# Allegro board LAY-31407_C2.brd (continued)
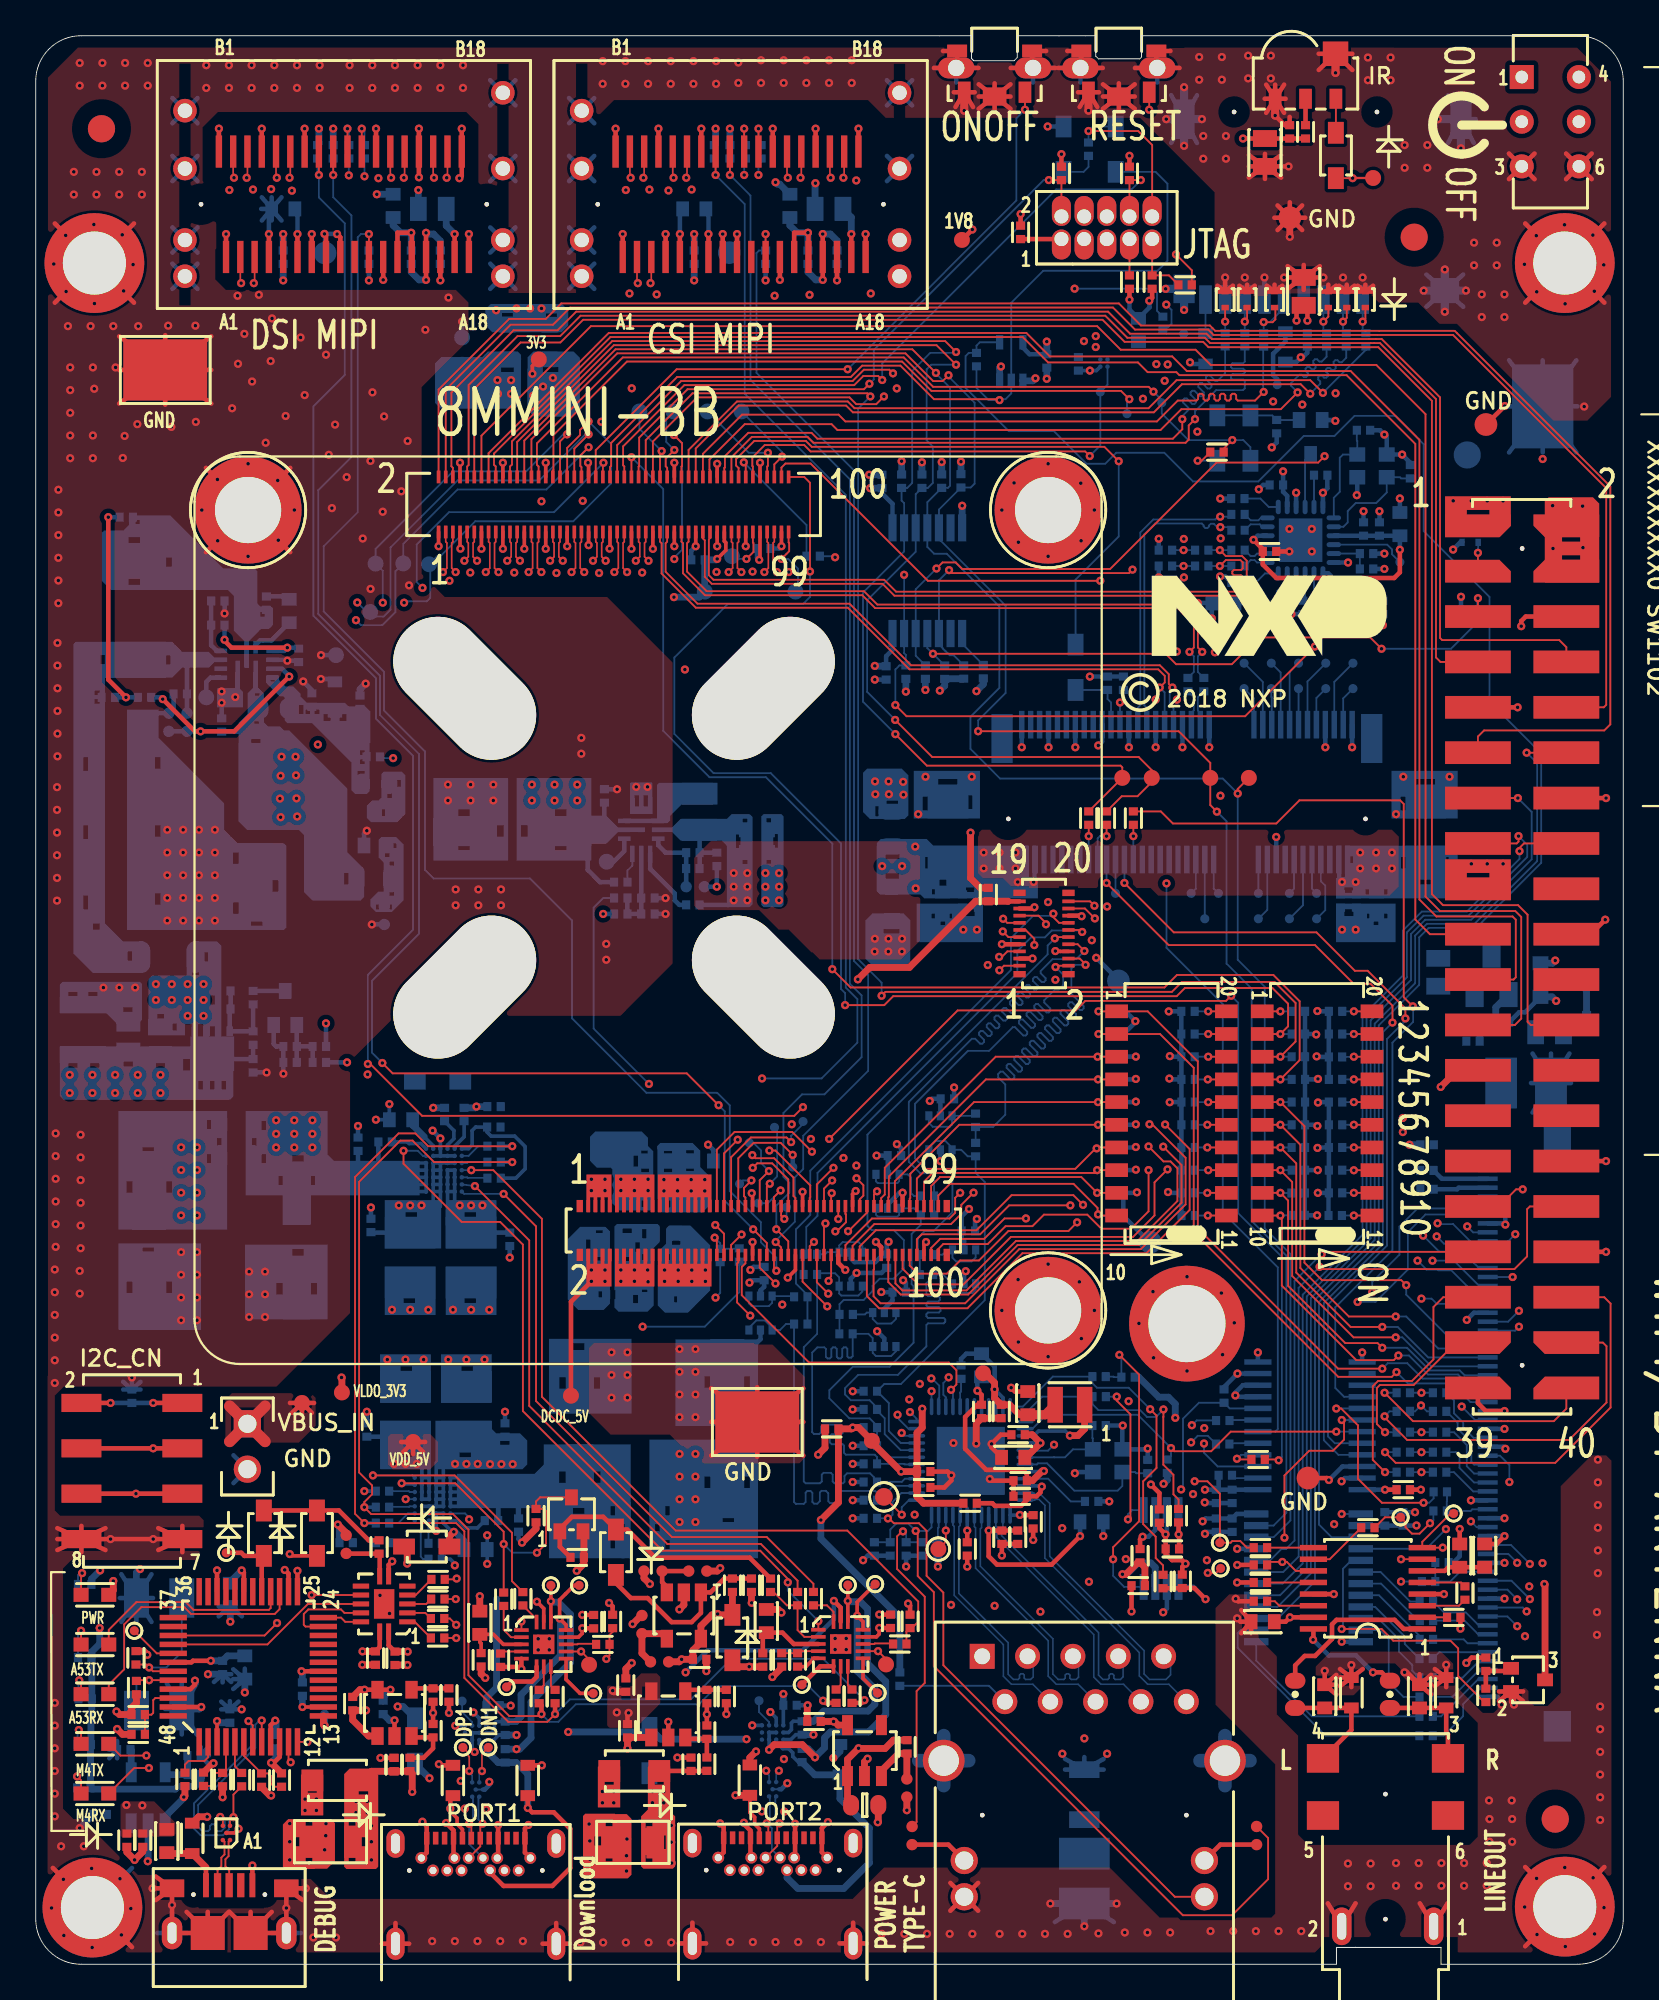
[diagram p0: board, top side]
## Library data of the parts (continued)
L101 = INDUCTOR: signal model: DEFAULT_INDUCTOR_1500nH_2_1
L102 = INDUCTOR: tolerance: 20%; signal model: DEFAULT_INDUCTOR_470.000000nH_2_1
L401 L501 L503 L601 L602 L901 = BEAD_0: signal model: DEFAULT_RESISTOR_120.000000OHM_2_1
L502 = INDUCTOR: signal model: DEFAULT_INDUCTOR_4700nH_2_1
Q101 = MOSFET_P_5P_SO8
Q102 Q301 Q604 Q903 Q1003 = NX3008NBKW_SOT323
Q1001 = MOSFET_P
Q1002 = MOSFET_N
R101 R137 R708 = RES: signal model: DEFAULT_RESISTOR_0.0015OHM_2_1
R102 R704 = RES: signal model: DEFAULT_RESISTOR_3.300000OHM_2_1
R103 R120 R140 R210-R213 R302-R305 R308-R312 R315 R316 R318 R323 R325 R332-R341 R401 R402 R501-R503 R511 R512 R514 R530-R544 R601-R604 R612 R613 R618-R620 R624 R625 R629-R631 R807-R812 R904 R908-R911 R1001 R1003-R1006 R1009-R1028 = RES: signal model: DEFAULT_RESISTOR_0.001OHM_2_1
R105 = RES: signal model: DEFAULT_RESISTOR_44200OHM_2_1
R107 R108 R112 R113 R115 R133 R215 R328-R331 R707 = RES: signal model: DEFAULT_RESISTOR_100000OHM_2_1
R109 R709 = RES: signal model: DEFAULT_RESISTOR_9530OHM_2_1
R110 = RES: signal model: DEFAULT_RESISTOR_187000OHM_2_1
R111 = RES: signal model: DEFAULT_RESISTOR_41200OHM_2_1
R114 R131 R134 R713 R902 R903 R915 R916 = RES: signal model: DEFAULT_RESISTOR_1000.000000OHM_2_1
R125 = RES: signal model: DEFAULT_RESISTOR_22000OHM_2_1
R129 = RES: signal model: DEFAULT_RESISTOR_4700OHM_2_1
R135 = RES: signal model: DEFAULT_RESISTOR_499000OHM_2_1
R136 R705 = RES: signal model: DEFAULT_RESISTOR_499.000000OHM_2_1
R138 R306 R319 = RES: signal model: DEFAULT_RESISTOR_0.0012OHM_2_1
R139 = RES: signal model: DEFAULT_RESISTOR_118000OHM_2_1
R201-R209 R214 R327 R342 R344 R345 R405 R406 R506 R509 R516-R526 R623 R626 R627 R801-R806 R917-R919 R1101 R1103 R1105 R1107 R1109 R1111 R1113 R1115 R1117 R1119 R1121 R1123 R1125 R1127 R1129 R1131 R1133 R1135 = RES: signal model: DEFAULT_RESISTOR_10000OHM_2_1
R216-R219 R301 R349 R350 R353-R359 R361 R610 R611 R614-R617 R621 R622 R632 R924-R928 R930 R1029-R1034 R1137 R1138 = RES
R307 R320 = RES: tolerance: 5%; signal model: DEFAULT_RESISTOR_1000.000000OHM_2_1
R313 R314 R321 R322 = RES: signal model: DEFAULT_RESISTOR_249000OHM_2_1
R343 R360 R929 R1139 R1140 = RES: tolerance: 5%
R346 = RES: tolerance: 5%; signal model: DEFAULT_RESISTOR_10000OHM_2_1
R403 R404 = RES: signal model: DEFAULT_RESISTOR_560.000000OHM_2_1
R508 R527 R528 = RES: signal model: DEFAULT_RESISTOR_1500OHM_2_1; room: RGMII_PHY
R510 R513 = RES: signal model: DEFAULT_RESISTOR_270.000000OHM_2_1
R515 = RES: signal model: DEFAULT_RESISTOR_2370OHM_2_1; room: RGMII_PHY
R702 = RES: signal model: DEFAULT_RESISTOR_43000OHM_2_1
R714 = RES: signal model: DEFAULT_RESISTOR_47.000000OHM_2_1
R920 = RES: signal model: DEFAULT_RESISTOR_100.000000OHM_2_1
R921-R923 = RES: tolerance: 1%; signal model: DEFAULT_RESISTOR_0.001OHM_2_1
R1102 R1104 R1106 R1108 R1110 R1112 R1114 R1116 R1118 R1120 R1122 R1124 R1126 R1128 R1130 R1132 R1134 R1136 = RES: tolerance: 5%; signal model: DEFAULT_RESISTOR_100000OHM_2_1
SW101 = SW_DPDT_3
SW901 SW902 = NTC501-BG1G-B160T
SW1101 SW1102 = SW_DIP-10
TP40-TP43 TP214-TP222 TP303 TP304 TP306 TP307 TP309-TP314 TP601-TP621 TP701 TP703 TP704 TP801 TP802 TP907 TP908 TP913-TP915 TP1201-TP1209 = TESTLOOP
TP101-TP105 TP205-TP208 TP210-TP213 TP301 TP302 TP305 TP308 TP315 TP503 TP504 TP702 TP901-TP906 TP909-TP912 = T POINT R: Tolerance: TOLERANCE; User Part Number: 510-75618
TP501 = Test pad: room: CODEC
TP502 = Test pad
TVS303 TVS304 TVS307 TVS308 TVS401 TVS402 TVS701 TVS702 TVS901 = DIODE_TVS_BIDIR
U101 = MP8759GD_QFN12P
U102 = MP2147GD_QFN_11P
U201 = PCA6416APW_TSSOP24
U202 = SN74AVC8T245
U203 = NTS0104PW_14P
U204 = 1G125
U301 U304 U311 = SGM8709YN5G
U302 U305 = NX20P3483UK_42P
U303 U306 = PTN5110_QFN16
U307 U309 U902 = PCMF1USB3S_WLCSP5
U308 U310 = NX20P0407_WLCSP12_A
U312 = TPS709_1
U401 = WM8524GEDT
U501 = AR8031_48P_EP
U502-U507 = NC7WV16_6P
U508 = NTB0102_8P
U601 = 9FGV0241AKLF_24P
U701 = IRM-V538
U702 = ADP199_4P
U901 = FT2232D
U903 = RT9193-33PB
U904 = NTB0104BQ
X901 = XTAL_13
Y501 Y601 = XTAL_13Y

## Footprints (pads in the part's own frame, mm; a bottom-side part is the same pattern mirrored in y, then rotated)
0402_CC
  rect 0.457x0.508 smd: 1(-0.375,0) 2(0.375,0)
0603_CC
  rect 0.711x0.838 smd: 1(-0.65,0) 2(0.65,0)
0805_CC
  rect 0.94x1.346 smd: 1(-0.78,0) 2(0.78,0)
1206_CC
  rect 0.94x1.702 smd: 1(-1.4,0) 2(1.4,0)
1210_CC
  rect 0.94x2.591 smd: 1(-1.4,0) 2(1.4,0)
C035S
  round 0.889 smd: 1(0,0)
CASE_D_AL
  rect 3.556x1.575 smd: 1(-2.642,0) 2(2.642,0)
CC0603_OV
  oval 0.889x1.143 smd: 1(-0.762,0) 2(0.762,0)
CC1210
  rect 1.778x2.845 smd: 1(-1.397,0) 2(1.397,0)
CC3528-21
  rect 1.905x2.286 smd: 1(-1.714,0) 2(1.714,0)
CCE8P3X8P3
  rect 4.394x1.905 smd: 1(-2.807,0) 2(2.807,0)
CON6_AUDIOJACK_RA_TH
  round 0.254 hole 1.499 unplated: (0.4,2.7) (7.4,2.7)
  oval 2.108x1.092 hole 1.499x0.508: 1(0,0) 2(0,5.15)
  rect 1.6x1.803 smd: 3(9.4,-0.8) 4(9.4,6.2) 5(6.2,6.2) 6(6.2,-0.8)
CON9_SDCARD_1P1MM
  round 0.254 hole 0.991 unplated: (-4.95,-3.25) (3.05,-3.25)
  rect 0.711x1.6 smd: 1(2.25,7.25) 2(1.15,7.25) 3(0.05,7.25) 4(-1.05,7.25) 5(-2.15,7.25) 6(-3.25,7.25) 7(-4.35,7.25) 8(-5.45,7.25) 9(-6.55,7.25)
  rect 1.194x1.6 smd: 10(-7.75,6.65)
  rect 1.194x2.21 smd: 11(-7.75,-2.85) 12(7.75,-2.85)
  rect 1.6x1.397 smd: 13(6.85,6.75)
CON20_0P4_5P7X2P05_SM
  rect 0.356x0.686 smd: (-2.275,1.368) (-2.275,-1.368) (2.275,1.368) (2.275,-1.368)
  rect 0.203x0.686 smd: 1(1.8,-1.368) 2(1.8,1.368) 3(1.4,-1.368) 4(1.4,1.368) 5(1,-1.368) 6(1,1.368) 7(0.6,-1.368) 8(0.6,1.368) 9(0.2,-1.368) 10(0.2,1.368) 11(-0.2,-1.368) 12(-0.2,1.368) 13(-0.6,-1.368) 14(-0.6,1.368) 15(-1,-1.368) 16(-1,1.368) 17(-1.4,-1.368) 18(-1.4,1.368) 19(-1.8,-1.368) 20(-1.8,1.368)
CON24_USB_TYPEC_RA_SMT_TH
  round 0.254 hole 0.66 unplated: (-6.775,-0.7) (0.675,-0.7)
  rect 0.305x0.711 smd: A1(-5.8,1.11) A2(-5.3,1.11) A3(-4.8,1.11) A4(-4.3,1.11) A5(-3.8,1.11) A6(-3.3,1.11) A7(-2.8,1.11) A8(-2.3,1.11) A9(-1.8,1.11) A10(-1.3,1.11) A11(-0.8,1.11) A12(-0.3,1.11)
  round 0.66 hole 0.406: B1(0,0) B2(-0.65,-0.7) B3(-1.45,-0.7) B4(-1.85,0) B5(-2.25,-0.7) B6(-2.65,0) B7(-3.45,0) B8(-3.85,-0.7) B9(-4.25,0) B10(-4.65,-0.7) B11(-5.45,-0.7) B12(-6.1,0)
  oval 1.016x1.6 hole 0.508x1.118: SH1(-7.55,0.81) SH2(1.45,0.81)
  oval 1.016x1.803 hole 0.508x1.295: SH3(-7.55,-4.8) SH4(1.45,-4.8)
CON100_0P4_21P7X2P05_SM
  rect 0.356x0.686 smd: (-10.275,1.368) (-10.275,-1.368) (10.275,1.368) (10.275,-1.368)
  rect 0.203x0.686 smd: 1(9.8,-1.368) 2(9.8,1.368) 3(9.4,-1.368) 4(9.4,1.368) 5(9,-1.368) 6(9,1.368) 7(8.6,-1.368) 8(8.6,1.368) 9(8.2,-1.368) 10(8.2,1.368) 11(7.8,-1.368) 12(7.8,1.368) 13(7.4,-1.368) 14(7.4,1.368) 15(7,-1.368) 16(7,1.368) 17(6.6,-1.368) 18(6.6,1.368) 19(6.2,-1.368) 20(6.2,1.368) 21(5.8,-1.368) 22(5.8,1.368) 23(5.4,-1.368) 24(5.4,1.368) 25(5,-1.368) 26(5,1.368) 27(4.6,-1.368) 28(4.6,1.368) 29(4.2,-1.368) 30(4.2,1.368) 31(3.8,-1.368) 32(3.8,1.368) 33(3.4,-1.368) 34(3.4,1.368) 35(3,-1.368) 36(3,1.368) 37(2.6,-1.368) 38(2.6,1.368) 39(2.2,-1.368) 40(2.2,1.368) 41(1.8,-1.368) 42(1.8,1.368) 43(1.4,-1.368) 44(1.4,1.368) 45(1,-1.368) 46(1,1.368) 47(0.6,-1.368) 48(0.6,1.368) 49(0.2,-1.368) 50(0.2,1.368) 51(-0.2,-1.368) 52(-0.2,1.368) 53(-0.6,-1.368) 54(-0.6,1.368) 55(-1,-1.368) 56(-1,1.368) 57(-1.4,-1.368) 58(-1.4,1.368) 59(-1.8,-1.368) 60(-1.8,1.368) 61(-2.2,-1.368) 62(-2.2,1.368) 63(-2.6,-1.368) 64(-2.6,1.368) 65(-3,-1.368) 66(-3,1.368) 67(-3.4,-1.368) 68(-3.4,1.368) 69(-3.8,-1.368) 70(-3.8,1.368) 71(-4.2,-1.368) 72(-4.2,1.368) 73(-4.6,-1.368) 74(-4.6,1.368) 75(-5,-1.368) 76(-5,1.368) 77(-5.4,-1.368) 78(-5.4,1.368) 79(-5.8,-1.368) 80(-5.8,1.368) 81(-6.2,-1.368) 82(-6.2,1.368) 83(-6.6,-1.368) 84(-6.6,1.368) 85(-7,-1.368) 86(-7,1.368) 87(-7.4,-1.368) 88(-7.4,1.368) 89(-7.8,-1.368) 90(-7.8,1.368) 91(-8.2,-1.368) 92(-8.2,1.368) 93(-8.6,-1.368) 94(-8.6,1.368) 95(-9,-1.368) 96(-9,1.368) 97(-9.4,-1.368) 98(-9.4,1.368) 99(-9.8,-1.368) 100(-9.8,1.368)
CON100_0P4_22P8X3P1_SM
  rect 0.203x0.711 smd: 1(-9.8,-1.54) 2(-9.8,1.54) 3(-9.4,-1.54) 4(-9.4,1.54) 5(-9,-1.54) 6(-9,1.54) 7(-8.6,-1.54) 8(-8.6,1.54) 9(-8.2,-1.54) 10(-8.2,1.54) 11(-7.8,-1.54) 12(-7.8,1.54) 13(-7.4,-1.54) 14(-7.4,1.54) 15(-7,-1.54) 16(-7,1.54) 17(-6.6,-1.54) 18(-6.6,1.54) 19(-6.2,-1.54) 20(-6.2,1.54) 21(-5.8,-1.54) 22(-5.8,1.54) 23(-5.4,-1.54) 24(-5.4,1.54) 25(-5,-1.54) 26(-5,1.54) 27(-4.6,-1.54) 28(-4.6,1.54) 29(-4.2,-1.54) 30(-4.2,1.54) 31(-3.8,-1.54) 32(-3.8,1.54) 33(-3.4,-1.54) 34(-3.4,1.54) 35(-3,-1.54) 36(-3,1.54) 37(-2.6,-1.54) 38(-2.6,1.54) 39(-2.2,-1.54) 40(-2.2,1.54) 41(-1.8,-1.54) 42(-1.8,1.54) 43(-1.4,-1.54) 44(-1.4,1.54) 45(-1,-1.54) 46(-1,1.54) 47(-0.6,-1.54) 48(-0.6,1.54) 49(-0.2,-1.54) 50(-0.2,1.54) 51(0.2,-1.54) 52(0.2,1.54) 53(0.6,-1.54) 54(0.6,1.54) 55(1,-1.54) 56(1,1.54) 57(1.4,-1.54) 58(1.4,1.54) 59(1.8,-1.54) 60(1.8,1.54) 61(2.2,-1.54) 62(2.2,1.54) 63(2.6,-1.54) 64(2.6,1.54) 65(3,-1.54) 66(3,1.54) 67(3.4,-1.54) 68(3.4,1.54) 69(3.8,-1.54) 70(3.8,1.54) 71(4.2,-1.54) 72(4.2,1.54) 73(4.6,-1.54) 74(4.6,1.54) 75(5,-1.54) 76(5,1.54) 77(5.4,-1.54) 78(5.4,1.54) 79(5.8,-1.54) 80(5.8,1.54) 81(6.2,-1.54) 82(6.2,1.54) 83(6.6,-1.54) 84(6.6,1.54) 85(7,-1.54) 86(7,1.54) 87(7.4,-1.54) 88(7.4,1.54) 89(7.8,-1.54) 90(7.8,1.54) 91(8.2,-1.54) 92(8.2,1.54) 93(8.6,-1.54) 94(8.6,1.54) 95(9,-1.54) 96(9,1.54) 97(9.4,-1.54) 98(9.4,1.54) 99(9.8,-1.54) 100(9.8,1.54)
CON_2RH_10_50
  oval 1.067x1.676 hole 0.787: 1(0,0) 2(0,1.27) 3(1.27,0) 4(1.27,1.27) 5(2.54,0) 6(2.54,1.27) 7(3.81,0) 8(3.81,1.27) 9(5.08,0) 10(5.08,1.27)
CON_2X4_SKT_100_SM
  rect 2.235x1.016 smd: 1(2.826,3.81) 2(-2.826,3.81) 3(2.826,1.27) 4(-2.826,1.27) 5(2.826,-1.27) 6(-2.826,-1.27) 7(2.826,-3.81) 8(-2.826,-3.81)
CON_36_0P8_TH
  round 0.254 hole 1.549 unplated: (-8,0) (8,0)
  rect 0.356x1.803 smd: A1(-6.6,-2.95) A2(-5.8,-2.95) A3(-5,-2.95) A4(-4.2,-2.95) A5(-3.4,-2.95) A6(-2.6,-2.95) A7(-1.8,-2.95) A8(-1,-2.95) A9(-0.2,-2.95) A10(0.6,-2.95) A11(1.4,-2.95) A12(2.2,-2.95) A13(3,-2.95) A14(3.8,-2.95) A15(4.6,-2.95) A16(5.4,-2.95) A17(6.2,-2.95) A18(7,-2.95) B1(-7,2.95) B2(-6.2,2.95) B3(-5.4,2.95) B4(-4.6,2.95) B5(-3.8,2.95) B6(-3,2.95) B7(-2.2,2.95) B8(-1.4,2.95) B9(-0.6,2.95) B10(0.2,2.95) B11(1,2.95) B12(1.8,2.95) B13(2.6,2.95) B14(3.4,2.95) B15(4.2,2.95) B16(5,2.95) B17(5.8,2.95) B18(6.6,2.95)
  round 1.321 hole 0.813: T1(-8.9,-4.03) T2(-8.9,-2) T3(-8.9,2) T4(-8.9,5.24) T5(8.9,-4.03) T6(8.9,-2) T7(8.9,2) T8(8.9,6.24)
CON_75_0P5_22X9_RA
  rect 1.194x2.743 smd: (-10.35,2.825) (10.35,2.825)
  round 0.254 hole 1.092 unplated: (-10,-1.675)
  round 0.254 hole 1.6 unplated: (10,-1.675)
  rect 0.305x1.549 smd: 1(-9.25,3.6) 2(-9,-3.95) 3(-8.75,3.6) 4(-8.5,-3.95) 5(-8.25,3.6) 6(-8,-3.95) 7(-7.75,3.6) 8(-7.5,-3.95) 9(-7.25,3.6) 10(-7,-3.95) 11(-6.75,3.6) 12(-6.5,-3.95) 13(-6.25,3.6) 14(-6,-3.95) 15(-5.75,3.6) 16(-5.5,-3.95) 17(-5.25,3.6) 18(-5,-3.95) 19(-4.75,3.6) 20(-4.5,-3.95) 21(-4.25,3.6) 22(-4,-3.95) 23(-3.75,3.6) 32(-1.5,-3.95) 33(-1.25,3.6) 34(-1,-3.95) 35(-0.75,3.6) 36(-0.5,-3.95) 37(-0.25,3.6) 38(0,-3.95) 39(0.25,3.6) 40(0.5,-3.95) 41(0.75,3.6) 42(1,-3.95) 43(1.25,3.6) 44(1.5,-3.95) 45(1.75,3.6) 46(2,-3.95) 47(2.25,3.6) 48(2.5,-3.95) 49(2.75,3.6) 50(3,-3.95) 51(3.25,3.6) 52(3.5,-3.95) 53(3.75,3.6) 54(4,-3.95) 55(4.25,3.6) 56(4.5,-3.95) 57(4.75,3.6) 58(5,-3.95) 59(5.25,3.6) 60(5.5,-3.95) 61(5.75,3.6) 62(6,-3.95) 63(6.25,3.6) 64(6.5,-3.95) 65(6.75,3.6) 66(7,-3.95) 67(7.25,3.6) 68(7.5,-3.95) 69(7.75,3.6) 70(8,-3.95) 71(8.25,3.6) 72(8.5,-3.95) 73(8.75,3.6) 74(9,-3.95) 75(9.25,3.6)
CON_FPC_60F_0P5_SM_RA
  rect 1.702x1.524 smd: (-16.4,-2.15) (16.4,-2.15)
  rect 0.254x1.118 smd: 1(-14.75,1.75) 2(-14.25,1.75) 3(-13.75,1.75) 4(-13.25,1.75) 5(-12.75,1.75) 6(-12.25,1.75) 7(-11.75,1.75) 8(-11.25,1.75) 9(-10.75,1.75) 10(-10.25,1.75) 11(-9.75,1.75) 12(-9.25,1.75) 13(-8.75,1.75) 14(-8.25,1.75) 15(-7.75,1.75) 16(-7.25,1.75) 17(-6.75,1.75) 18(-6.25,1.75) 19(-5.75,1.75) 20(-5.25,1.75) 21(-4.75,1.75) 22(-4.25,1.75) 23(-3.75,1.75) 24(-3.25,1.75) 25(-2.75,1.75) 26(-2.25,1.75) 27(-1.75,1.75) 28(-1.25,1.75) 29(-0.75,1.75) 30(-0.25,1.75) 31(0.25,1.75) 32(0.75,1.75) 33(1.25,1.75) 34(1.75,1.75) 35(2.25,1.75) 36(2.75,1.75) 37(3.25,1.75) 38(3.75,1.75) 39(4.25,1.75) 40(4.75,1.75) 41(5.25,1.75) 42(5.75,1.75) 43(6.25,1.75) 44(6.75,1.75) 45(7.25,1.75) 46(7.75,1.75) 47(8.25,1.75) 48(8.75,1.75) 49(9.25,1.75) 50(9.75,1.75) 51(10.25,1.75) 52(10.75,1.75) 53(11.25,1.75) 54(11.75,1.75) 55(12.25,1.75) 56(12.75,1.75) 57(13.25,1.75) 58(13.75,1.75) 59(14.25,1.75) 60(14.75,1.75)
CON_RJ45_10F_100_TH_RA
  round 0.254 hole 3.2 unplated: (-11.435,8.89) (-0.005,8.89)
  rect 1.397x1.397 hole 0.889: 1(0,0)
  round 1.397 hole 0.889: 2(-1.27,2.54) 3(-2.54,0) 4(-3.81,2.54) 5(-5.08,0) 6(-6.35,2.54) 7(-7.62,0) 8(-8.89,2.54) 9(-10.16,0) 10(-11.43,2.54)
  round 1.524 hole 1.016: 11(1.005,11.43) 12(1.005,13.46) 13(-12.445,11.43) 14(-12.445,13.46)
  round 2.337 hole 1.702: 15(-13.595,5.84) 16(2.155,5.84)
CON_USB_TYPE_B_SM
  round 0.254 hole 0.66 unplated: (-2,2.15) (2,2.15)
  rect 0.33x1.346 smd: 1(-1.3,2.675) 5(1.3,2.675)
  rect 0.406x1.346 smd: 2(-0.65,2.675) 3(0,2.675) 4(0.65,2.675)
  oval 1.143x1.829 hole 0.508x1.194: S1(-3.2,0) S2(3.2,0)
  rect 1.905x1.905 smd: S3(-1.2,0) S4(1.2,0)
  rect 1.372x0.991 smd: S5(-3.2,2.5) S6(3.2,2.5)
DFN3P3X3P3_8L_EX
  rect 0.559x0.356 smd: 1(-1.42,0.975) 2(-1.42,0.325) 3(-1.42,-0.325) 4(-1.42,-0.975)
  custom 2.28x2.45 smd: 5(0,0)
DHVQFN14_3X2P5MM
  rect 0.914x0.279 smd: 1(-1.55,-0.25) 7(1.55,-0.25) 8(1.55,0.25) 14(-1.55,0.25)
  rect 0.279x0.914 smd: 2(-1,-1.3) 3(-0.5,-1.3) 4(0,-1.3) 5(0.5,-1.3) 6(1,-1.3) 9(1,1.3) 10(0.5,1.3) 11(0,1.3) 12(-0.5,1.3) 13(-1,1.3)
  rect 1.651x1.143 smd: 15(0,0)
DIODE2_SOD523
  rect 0.61x0.813 smd: 1(-0.85,0) 2(0.85,0)
FUSE_3P4X1P8
  rect 0.991x1.803 smd: 1(-1.25,0) 2(1.25,0)
HDR102
  rect 1.524x1.524 hole 1.016: 1(0,0)
  round 1.524 hole 1.016: 2(0,-2.54)
HDR220_TSM_A_SM
  round 0.254 hole 1.727 unplated: (0,22.86) (0,-22.86)
  custom 3.68x1.27 smd: 1(-2.475,24.13) 2(2.475,24.13) 3(-2.475,21.59) 4(2.475,21.59) 37(-2.475,-21.59) 38(2.475,-21.59) 39(-2.475,-24.13) 40(2.475,-24.13)
  rect 3.683x1.27 smd: 5(-2.475,19.05) 6(2.475,19.05) 7(-2.475,16.51) 8(2.475,16.51) 9(-2.475,13.97) 10(2.475,13.97) 11(-2.475,11.43) 12(2.475,11.43) 13(-2.475,8.89) 14(2.475,8.89) 15(-2.475,6.35) 16(2.475,6.35) 17(-2.475,3.81) 18(2.475,3.81) 19(-2.475,1.27) 20(2.475,1.27) 21(-2.475,-1.27) 22(2.475,-1.27) 23(-2.475,-3.81) 24(2.475,-3.81) 25(-2.475,-6.35) 26(2.475,-6.35) 27(-2.475,-8.89) 28(2.475,-8.89) 29(-2.475,-11.43) 30(2.475,-11.43) 31(-2.475,-13.97) 32(2.475,-13.97) 33(-2.475,-16.51) 34(2.475,-16.51) 35(-2.475,-19.05) 36(2.475,-19.05)
HX2QFN16_0P4_2P7X2P7
  rect 0.813x0.203 smd: 1(-1.25,0.8) 2(-1.25,0.4) 3(-1.25,0) 4(-1.25,-0.4) 5(-1.25,-0.8) 9(1.25,-0.8) 10(1.25,-0.4) 11(1.25,0) 12(1.25,0.4) 13(1.25,0.8)
  rect 0.203x0.813 smd: 6(-0.4,-1.25) 7(0,-1.25) 8(0.4,-1.25) 14(0.4,1.25) 15(0,1.25) 16(-0.4,1.25)
  rect 1.194x1.092 smd: 17(0,0)
IND_IHLP
  rect 2.007x3.429 smd: 1(-2.794,0) 2(2.743,0)
IND_SPH2520
  rect 1.219x2.007 smd: 1(-1.01,0) 2(1.01,0)
IND_VLS252010
  rect 0.864x2.007 smd: 1(-0.825,0) 2(0.825,0)
LED_0603
  rect 0.838x0.787 smd: A(-0.775,0) C(0.775,0)
LED_0603_11MIL
  rect 0.838x0.787 smd: A(-0.775,0) C(0.775,0)
LQFP48
  rect 1.524x0.305 smd: 1(-4.204,2.752) 2(-4.204,2.252) 3(-4.204,1.751) 4(-4.204,1.251) 5(-4.204,0.751) 6(-4.204,0.25) 7(-4.204,-0.25) 8(-4.204,-0.751) 9(-4.204,-1.251) 10(-4.204,-1.751) 11(-4.204,-2.252) 12(-4.204,-2.752) 25(4.204,-2.752) 26(4.204,-2.252) 27(4.204,-1.751) 28(4.204,-1.251) 29(4.204,-0.751) 30(4.204,-0.25) 31(4.204,0.25) 32(4.204,0.751) 33(4.204,1.251) 34(4.204,1.751) 35(4.204,2.252) 36(4.204,2.752)
  rect 0.305x1.524 smd: 13(-2.752,-4.204) 14(-2.252,-4.204) 15(-1.751,-4.204) 16(-1.251,-4.204) 17(-0.751,-4.204) 18(-0.25,-4.204) 19(0.25,-4.204) 20(0.751,-4.204) 21(1.251,-4.204) 22(1.751,-4.204) 23(2.252,-4.204) 24(2.752,-4.204) 37(2.752,4.204) 38(2.252,4.204) 39(1.751,4.204) 40(1.251,4.204) 41(0.751,4.204) 42(0.25,4.204) 43(-0.25,4.204) 44(-0.751,4.204) 45(-1.251,4.204) 46(-1.751,4.204) 47(-2.252,4.204) 48(-2.752,4.204)
MH244-166T
  round 6.477 hole 4.318: 1(0,0)
QFN12_0P5_2X3MM_EP
  rect 0.711x0.254 smd: 1(-0.95,0.5) 2(-0.95,0) 3(-0.95,-0.5) 7(0.95,-0.5) 8(0.95,0) 9(0.95,0.5)
  rect 0.254x0.914 smd: 4(-0.5,-1.35) 5(0,-1.35) 6(0.5,-1.35)
  custom 1.25x0.9 smd: 10(0,1.35)
  rect 0.406x0.254 smd: 11(0,0)
QFN12_0P5_3P1X2P1
  rect 0.254x1.499 smd: 1(0.5,0.55) 2(-0.5,0.55) 7(0,-0.55)
  rect 0.711x0.254 smd: 3(-1.45,0.75) 4(-1.45,0.25) 5(-1.45,-0.25) 6(-1.45,-0.75) 9(1.45,-0.75) 10(1.45,-0.25) 11(1.45,0.25) 12(1.45,0.75)
  rect 0.254x0.711 smd: 8(0.5,-0.95)
QFN24_0P5_4X4_EP2P2
  oval 0.813x0.279 smd: 1(-1.86,1.25) 2(-1.86,0.75) 3(-1.86,0.25) 4(-1.86,-0.25) 5(-1.86,-0.75) 6(-1.86,-1.25) 13(1.86,-1.25) 14(1.86,-0.75) 15(1.86,-0.25) 16(1.86,0.25) 17(1.86,0.75) 18(1.86,1.25)
  oval 0.279x0.813 smd: 7(-1.25,-1.86) 8(-0.75,-1.86) 9(-0.25,-1.86) 10(0.25,-1.86) 11(0.75,-1.86) 12(1.25,-1.86) 19(1.25,1.86) 20(0.75,1.86) 21(0.25,1.86) 22(-0.25,1.86) 23(-0.75,1.86) 24(-1.25,1.86)
  rect 2.438x2.438 smd: 25(0,0)
QFN48_0P4_6X6MM_EPAD
  oval 0.965x0.203 smd: 1(-3.038,2.2) 2(-3.038,1.8) 3(-3.038,1.4) 4(-3.038,1) 5(-3.038,0.6) 6(-3.038,0.2) 7(-3.038,-0.2) 8(-3.038,-0.6) 9(-3.038,-1) 10(-3.038,-1.4) 11(-3.038,-1.8) 12(-3.038,-2.2) 25(3.038,-2.2) 26(3.038,-1.8) 27(3.038,-1.4) 28(3.038,-1) 29(3.038,-0.6) 30(3.038,-0.2) 31(3.038,0.2) 32(3.038,0.6) 33(3.038,1) 34(3.038,1.4) 35(3.038,1.8) 36(3.038,2.2)
  oval 0.203x0.965 smd: 13(-2.2,-3.038) 14(-1.8,-3.038) 15(-1.4,-3.038) 16(-1,-3.038) 17(-0.6,-3.038) 18(-0.2,-3.038) 19(0.2,-3.038) 20(0.6,-3.038) 21(1,-3.038) 22(1.4,-3.038) 23(1.8,-3.038) 24(2.2,-3.038) 37(2.2,3.038) 38(1.8,3.038) 39(1.4,3.038) 40(1,3.038) 41(0.6,3.038) 42(0.2,3.038) 43(-0.2,3.038) 44(-0.6,3.038) 45(-1,3.038) 46(-1.4,3.038) 47(-1.8,3.038) 48(-2.2,3.038)
  rect 3.81x3.81 smd: 49(0,0)
RC0402_25
  round 0.635 smd: 1(-0.508,0) 2(0.508,0)
RC0603_OV
  oval 0.889x1.143 smd: 1(-0.762,0) 2(0.762,0)
RC0805_OV
  oval 0.889x1.524 smd: 1(-0.965,0) 2(0.965,0)
RC1206_OV
  oval 1.016x1.778 smd: 1(-1.524,0) 2(1.524,0)
RCVR_SM_IRM_V5
  rect 0.711x1.118 smd: 1(1.7,-1.6) 2(0,-1.6) 3(-1.7,-1.6)
  rect 1.422x1.372 smd: 4(1.68,0.916)
SC70-5
  rect 0.406x0.813 smd: 1(-0.65,-1.079) 2(0,-1.079) 3(0.65,-1.079) 4(0.65,1.079) 5(-0.65,1.079)
SC70_3
  rect 0.711x0.889 smd: 1(-0.648,-0.952) 2(0.648,-0.952) 3(0,0.952)
SC70_6LEAD
  rect 0.508x0.406 smd: 1(-0.95,0.65) 2(-0.95,0) 3(-0.95,-0.65) 4(0.95,-0.65) 5(0.95,0) 6(0.95,0.65)
SOD123W
  rect 1.219x1.219 smd: A(1.4,0) C(-1.4,0)
SOD323
  rect 0.889x1.219 smd: A(0,1.27) C(0,-1.27)
SOD523
  rect 0.61x0.813 smd: A(0.85,0) C(-0.85,0)
SOD-923
  rect 0.305x0.406 smd: A(-0.45,0) C(0.45,0)
SOT23-5
  rect 0.61x1.118 smd: 1(-1,-1.4) 2(-0.05,-1.4) 3(0.9,-1.4) 4(0.9,1.45) 5(-1,1.45)
SOT23_A
  rect 0.787x0.889 smd: 1(-0.94,-1.003) 2(0.94,-1.003) 3(0,1.003)
SOT-23
  rect 1.016x1.397 smd: 1(-0.95,-1.1) 2(0.95,-1.1) 3(0,1.1)
SOT-23-5
  rect 0.686x0.991 smd: 1(-0.953,-1.295) 2(0,-1.295) 3(0.953,-1.295) 4(0.953,1.295) 5(-0.953,1.295)
SPACER_139T
  round 5.588 hole 3.531: 1(0,0)
STANDOFF_CIRCLE_5P1-2P5MM_NSP
  round 5.994 hole 3.708: 1(0,0)
SW2_3P4_TACT_SM_NSP
  rect 0.711x1.194 smd: 1(1.7,1.36) 2(-1.7,1.36)
  rect 1.321x1.016 smd: 3(0,1.6)
  rect 1.118x0.711 smd: 4(-2.1,-0.95) 5(2.1,-0.95)
  oval 2.032x1.168 hole 0.914: 6(-2.15,0) 7(2.15,0)
SW6_DPDT_M096H_TH
  rect 1.346x1.346 hole 0.711: 1(0,0)
  round 1.346 hole 0.711: 2(0,-2.5) 3(0,-5) 4(3.2,0) 5(3.2,-2.5) 6(3.2,-5)
SW_DIP10_SM
  rect 0.762x1.27 smd: 1(-5.715,-3.073) 2(-4.445,-3.073) 3(-3.175,-3.073) 4(-1.905,-3.073) 5(-0.635,-3.073) 6(0.635,-3.073) 7(1.905,-3.073) 8(3.175,-3.073) 9(4.445,-3.073) 10(5.715,-3.073) 11(5.715,3.073) 12(4.445,3.073) 13(3.175,3.073) 14(1.905,3.073) 15(0.635,3.073) 16(-0.635,3.073) 17(-1.905,3.073) 18(-3.175,3.073) 19(-4.445,3.073) 20(-5.715,3.073)
TEST_PIN_TP107
  rect 4.699x3.429 smd: 1(0,0)
TESTPOINT_35MIL
  round 0.889 smd: 1(0,0)
TESTPOINT_39MIL
  round 0.991 smd: 1(0,0)
TPAD_020
  round 0.508 smd: 1(0,0)
TPAD_050
  round 1.27 smd: 1(0,0)
TSSOP8_A
  rect 1.448x0.457 smd: 1(-2.15,0.975) 2(-2.15,0.325) 3(-2.15,-0.325) 4(-2.15,-0.975) 5(2.15,-0.975) 6(2.15,-0.325) 7(2.15,0.325) 8(2.15,0.975)
TSSOP14
  rect 1.524x0.457 smd: 1(-2.959,1.951) 2(-2.959,1.3) 3(-2.959,0.65) 4(-2.959,0) 5(-2.959,-0.65) 6(-2.959,-1.3) 7(-2.959,-1.951) 8(2.959,-1.951) 9(2.959,-1.3) 10(2.959,-0.65) 11(2.959,0) 12(2.959,0.65) 13(2.959,1.3) 14(2.959,1.951)
TSSOP16
  rect 1.524x0.305 smd: 1(-3.048,2.276) 2(-3.048,1.626) 3(-3.048,0.975) 4(-3.048,0.325) 5(-3.048,-0.325) 6(-3.048,-0.975) 7(-3.048,-1.626) 8(-3.048,-2.276) 9(3.048,-2.276) 10(3.048,-1.626) 11(3.048,-0.975) 12(3.048,-0.325) 13(3.048,0.325) 14(3.048,0.975) 15(3.048,1.626) 16(3.048,2.276)
TSSOP24_0P65_7P9X4P5
  rect 1.372x0.406 smd: 1(-2.927,3.575) 2(-2.927,2.925) 3(-2.927,2.275) 4(-2.927,1.625) 5(-2.927,0.975) 6(-2.927,0.325) 7(-2.927,-0.325) 8(-2.927,-0.975) 9(-2.927,-1.625) 10(-2.927,-2.275) 11(-2.927,-2.925) 12(-2.927,-3.575) 13(2.927,-3.575) 14(2.927,-2.925) 15(2.927,-2.275) 16(2.927,-1.625) 17(2.927,-0.975) 18(2.927,-0.325) 19(2.927,0.325) 20(2.927,0.975) 21(2.927,1.625) 22(2.927,2.275) 23(2.927,2.925) 24(2.927,3.575)
TSSOP24_65MM
  rect 1.524x0.305 smd: 1(-2.92,3.58) 2(-2.92,2.93) 3(-2.92,2.28) 4(-2.92,1.63) 5(-2.92,0.98) 6(-2.92,0.33) 7(-2.92,-0.32) 8(-2.92,-0.97) 9(-2.92,-1.62) 10(-2.92,-2.27) 11(-2.92,-2.92) 12(-2.92,-3.57) 13(2.92,-3.57) 14(2.92,-2.92) 15(2.92,-2.27) 16(2.92,-1.62) 17(2.92,-0.97) 18(2.92,-0.32) 19(2.92,0.33) 20(2.92,0.98) 21(2.92,1.63) 22(2.92,2.28) 23(2.92,2.93) 24(2.92,3.58)
unnamed#2
  oval 5.004x9.246 hole 5.004x9.246 unplated: (0,0)
unnamed#3
  round 1.524 smd: (0,0)
WLCSP4_0P4_0P8X0P8_SMDP
  round 0.254 smd: A1(-0.2,0.2) A2(0.2,0.2) B1(-0.2,-0.2) B2(0.2,-0.2)
WLCSP5_0P4_0P82X1P22
  round 0.254 smd: A1(-0.2,0.4) A2(0.2,0.4) B1(0,0) C1(-0.2,-0.4) C2(0.2,-0.4)
WLCSP12_0P4_1P3X1P7MM_SMDP
  round 0.254 smd: A1(-0.4,0.6) A2(0,0.6) A3(0.4,0.6) B1(-0.4,0.2) B2(0,0.2) B3(0.4,0.2) C1(-0.4,-0.2) C2(0,-0.2) C3(0.4,-0.2) D1(-0.4,-0.6) D2(0,-0.6) D3(0.4,-0.6)
WLCSP42_0P4_2P94X2P54_SMDP
  round 0.254 smd: A1(-1,1.2) A2(-0.6,1.2) A3(-0.2,1.2) A4(0.2,1.2) A5(0.6,1.2) A6(1,1.2) B1(-1,0.8) B2(-0.6,0.8) B3(-0.2,0.8) B4(0.2,0.8) B5(0.6,0.8) B6(1,0.8) C1(-1,0.4) C2(-0.6,0.4) C3(-0.2,0.4) C4(0.2,0.4) C5(0.6,0.4) C6(1,0.4) D1(-1,0) D2(-0.6,0) D3(-0.2,0) D4(0.2,0) D5(0.6,0) D6(1,0) E1(-1,-0.4) E2(-0.6,-0.4) E3(-0.2,-0.4) E4(0.2,-0.4) E5(0.6,-0.4) E6(1,-0.4) F1(-1,-0.8) F2(-0.6,-0.8) F3(-0.2,-0.8) F4(0.2,-0.8) F5(0.6,-0.8) F6(1,-0.8) G1(-1,-1.2) G2(-0.6,-1.2) G3(-0.2,-1.2) G4(0.2,-1.2) G5(0.6,-1.2) G6(1,-1.2)
XTAL_4_7P2X5P2
  rect 2.21x1.397 smd: 1(-3.15,-1.27) 2(-3.15,1.27) 3(3.15,1.27)
  rect 2.388x1.397 smd: 4(3.061,-1.27)
XTLOSC4_2P5X2MM_SM
  rect 0.889x0.813 smd: 1(-0.826,-0.635) 2(0.826,-0.635) 3(0.826,0.635) 4(-0.826,0.635)

## Nets
GND: BH1201.1(NC_1) BH1202.1(NC_1) BH1203.1(NC_1) BH1204.1(NC_1) BH1206.1 BH1207.1 BH1208.1 BH1209.1 C101.2 C103.2 C105.2 C106.2 C107.2 C108.2 C109.2 C113.2 C114.2 C116.2 C117.2 C119.2 C120.2 C121.2 C141.2 C142.2 C145.2 C157.2 C161.2 C201.2 C202.2 C203.2 C204.2 C205.2 C206.2 C207.2 C208.2 C209.2 C210.2 C211.2 C212.2 C213.2 C214.2 C215.2 C216.2 C217.2 C218.2 C219.2 C220.2 C221.2 C301.2 C302.2 C303.2 C304.2 C305.2 C308.2 C309.2 C311.2 C313.2 C314.2 C316.2 C317.2 C318.1 C319.2 C320.1 C321.2 C322.2 C323.2 C325.2 C326.2 C327.2 C329.2 C331.2 C332.1 C333.2 C334.2 C335.2 C336.1 C337.2 C338.2 C339.2 C340.2 C341.2 C342.2 C343.2 C344.2 C401.2 C402.2 C403.2 C404.1 C406.1 C407.2 C501.2 C502.2 C503.2 C504.2 C505.2 C506.2 C507.2 C508.2 C509.2 C510.2 C511.2 C512.2 C513.2 C514.2 C515.2 C516.2 C517.1 C518.2 C519.2 C520.2 C521.2 C522.2 C523.2 C524.2 C525.2 C526.2 C527.2 C603.2 C604.2 C605.2 C606.2 C607.2 C608.2 C609.2 C611.2 C613.2 C614.2 C617.2 C618.2 C620.2 C621.2 C622.2 C623.2 C624.2 C625.2 C702.2 C703.2 C704.2 C706.2 C707.2 C708.2 C801.2 C802.2 C803.2 C804.2 C805.2 C806.2 C807.2 C811.2 C812.2 C813.2 C814.2 C815.2 C901.2 C902.2 C903.2 C905.2 C906.2 C907.2 C908.2 C909.2 C910.2 C911.2 C912.2 C913.2 C914.2 C915.2 C916.2 C917.2 C918.2 C920.1 C1001.2 C1002.2 C1003.2 D101.A D301.A D303.A D702.A D703.A D704.A D705.A D706.A D707.A D708.C(CATHODE) D1001.A D1002.A J101.2 J201.1 J201.7 J201.8 J201.13 J201.19 J201.20 J201.25 J201.31 J201.32 J201.37 J201.43 J201.44 J201.49 J201.55 J201.61 J201.67 J201.68 J201.73 J201.79 J201.80 J201.87 J201.92 J201.97 J202.9 J202.10 J202.11 J202.12 J202.13 J202.14 J202.15 J202.16 J202.17 J202.18 J202.19 J202.20 J202.47 J202.48 J202.60 J202.61 J202.72 J202.75 J202.84 J202.89 J202.96 J203.3 J203.6 J203.7 J203.16 J203.17 J301.A1 J301.A12 J301.B1 J301.B12 J301.SH1 J301.SH2 J301.SH3 J301.SH4 J302.A1 J302.A12 J302.B1 J302.B12 J302.SH1 J302.SH2 J302.SH3 J302.SH4 J401.1 J401.2 J501.1 J501.12 J601.1 J601.7 J601.18 J601.33 J601.39 J601.45 J601.51 J601.57 J601.63 J601.69 J601.75 J701.6(VSS) J701.10 J701.11 J701.12 J701.13 J801.A1 J801.A4 J801.A7 J801.A12 J801.A15 J801.A18 J801.B1 J801.B4 J801.B7 J801.B12 J801.B15 J801.B18 J801.T1 J801.T2 J801.T3 J801.T4 J801.T5 J801.T6 J801.T7 J801.T8 J802.A1 J802.A4 J802.A7 J802.A12 J802.A15 J802.A18 J802.B1 J802.B4 J802.B7 J802.B12 J802.B15 J802.B18 J802.T1 J802.T2 J802.T3 J802.T4 J802.T5 J802.T6 J802.T7 J802.T8 J901.5 J901.S1 J901.S2 J901.S3 J901.S4 J901.S5 J901.S6 J902.3 J902.5 J1001.5 J1001.7 J1001.17 J1001.28 J1001.30 J1001.32 J1001.38 J1001.40 J1001.42 J1001.45 J1001.49 J1001.60 J1003.6 J1003.9 J1003.14 J1003.20 J1003.25 J1003.30 J1003.34 J1003.39 J1004.7 J1004.8(B4) Q102.2(SOURCE) Q301.2(SOURCE) Q604.2(SOURCE) Q903.2(SOURCE) Q1002.2(SOURCE) Q1003.2(SOURCE) R108.2 R109.2 R111.2 R115.2 R133.2 R139.2 R215.2 R301.2 R313.2 R314.2 R321.2 R322.2 R328.1 R329.1 R330.1 R333.2 R346.2 R357.2 R359.2 R361.1 R405.2 R514.1 R515.2 R517.2 R518.2 R520.2 R521.2 R522.2 R523.2 R524.2 R525.2 R618.1 R619.1 R620.1 R621.2 R622.2 R625.1 R921.2 R922.2 R930.1 R1033.2 R1102.2 R1104.2 R1106.2 R1108.2 R1110.2 R1112.2 R1114.2 R1116.2 R1118.2 R1120.2 R1122.2 R1124.2 R1126.2 R1128.2 R1130.2 R1132.2 R1134.2 R1136.2 R1139.2 R1140.2 SW101.3 SW101.6(NO2) SW901.1 SW901.3 SW901.4 SW901.5 SW901.6 SW901.7 SW902.1 SW902.3 SW902.4 SW902.5 SW902.6 SW902.7 TP904.1(TP) TP911.1(TP) TP1201.1(PIN1) TP1202.1(PIN1) TP1203.1(PIN1) TP1204.1(PIN1) TP1205.1(PIN1) TP1206.1(PIN1) TP1207.1(PIN1) TP1208.1(PIN1) TP1209.1(PIN1) TVS303.1 TVS304.1 TVS307.1 TVS308.1 TVS401.1 TVS402.1 TVS701.1 TVS702.1 TVS901.1 U101.2 U101.10 U102.10 U201.12(VSS) U201.21 U202.9 U202.10 U202.11 U202.12 U202.13 U202.22 U203.7 U204.1 U204.3 U301.2(V-) U302.A4 U302.B2 U302.B3 U302.B4 U302.B5 U303.5 U303.17 U304.2(V-) U305.A4 U305.B2 U305.B3 U305.B4 U305.B5 U306.17 U307.B1(GND) U308.B3 U308.D3 U309.B1(GND) U310.B3 U310.D3 U311.2(V-) U312.2 U401.4 U401.13 U501.49 U502.2 U503.2 U504.2 U505.2 U506.2 U507.2 U508.2 U601.6 U601.10 U601.15 U601.21 U601.24 U601.25 U701.3 U701.4 U702.B2 U901.9 U901.18 U901.25 U901.34 U901.45 U901.47 U902.B1(GND) U903.2 U904.7 U904.15 X901.2 X901.4 Y501.2 Y501.4 Y601.2 Y601.4
GND_CHASSIS: C517.2 J501.15 J501.16(SH2) R514.2
VBUS2_TH: C341.1 D311.C R343.2 U311.1
VBUS_DBG: J901.1(VBUS) L901.1 TVS901.2(A2)
VBUS_EXT: C1001.1 C1002.1 J1001.1 R1001.2 R1027.2 R1028.2
VBUS_IN: C101.1 C105.1 C304.1 C305.1 C1004.1 J101.1 Q1001.2(SOURCE) R101.1 R137.1 R315.2 R316.2 R323.2 R325.2 R1029.1 R1034.1 TP910.1(TP) U101.1
VBUS_USB_DBG: C901.1 C903.1 C905.1 C910.1 C911.1 C912.1 L901.2 R904.1 R924.1 R926.1 U901.3 U901.42 U903.1 U903.3
VCC: J902.1 R920.2
VCC_3V3_FT: C906.1 C913.1 C914.1 C915.1 R902.2 R903.2 R915.2 R916.2 R927.2 R928.2 U901.10 U901.14 U901.26 U901.31 U904.14(VCCB)
VCC_3V6: C114.1 R107.1 U101.9
VDD_1V8: C201.1 C204.1 C205.1 C206.1 C213.1 C214.1 C218.1 C219.1 C221.1 C520.1 C521.1 C522.1 C525.1 C526.1 C527.1 C801.1 C802.1 C805.1 C813.1 C916.1 D907.A J202.22 J202.24 J202.26 J202.28 J202.30 J202.32 J202.34 J202.36 J801.A5 J801.A6 J802.A5 J802.A6 L601.2 L602.1 R201.1 R203.1 R205.1 R207.1 R209.1 R214.1 R536.1 R604.1 R623.1 R624.1 R801.1 R802.1 R803.1 R804.1 R805.1 R806.1 R917.1 R918.1 R920.1 R1101.2 R1103.2 R1105.2 R1107.2 TP901.1(TP) U201.2 U202.1 U203.1 U204.5 U502.5 U503.5 U504.5 U505.5 U506.5 U507.5 U904.1
VDD_3V3: C202.1 C203.1 C207.1 C208.1 C211.1 C212.1 C217.1 C220.1 C403.1 C506.1 C507.1 C524.1 C706.1 C707.1 C708.1 C1003.1 D310.A J202.21 J202.23 J202.25 J202.27 J202.29 J202.31 J202.33 J202.35 J1004.1 J1004.2 L401.2 L501.1 R113.1 R134.1 R202.1 R204.1 R206.1 R208.1 R344.1 R345.1 R349.1 R350.1 R406.2 R506.1 R527.1 R528.1 R601.1 R603.1 R713.1 R714.1 R812.1 R1004.2 R1109.2 R1111.2 R1113.2 R1115.2 R1117.2 R1119.2 R1121.2 R1123.2 R1125.2 R1127.2 R1129.2 R1131.2 R1133.2 R1135.2 R1137.2 R1138.2 TP912.1(TP) U201.24 U202.23 U202.24(VCCB2) U203.14(VCCB) U401.15 U501.4 U508.7(VCCB) U702.A1
VDD_5V: C141.1 C142.1 C157.1 C159.1 C311.1 C313.1 C320.2 C327.1 C329.1 C336.2 C342.1 C343.1 C804.1 C807.1 C812.1 C815.1 J801.A16 J801.A17 J802.A16 J802.A17 J1003.2 J1003.4 Q101.5 R120.2 R304.1 R307.1 R318.1 R320.1 TP102.1(TP) U301.5 U302.D2 U302.D3 U302.E2 U302.E3 U302.F2 U302.F3 U302.G2 U302.G3 U303.12 U304.5 U305.D2 U305.D3 U305.E2 U305.E3 U305.F2 U305.F3 U305.G2 U305.G3 U306.12
VDDEXT_3V3: C118.1 C119.1 C120.1 C121.1 C122.2 L102.2 R110.1 R602.1 R811.1 TP104.1(TP) U102.2
3483_EN_SNK1: Q301.3 R333.1 R342.2 U302.F1
3483_EN_SNK2: R335.2 U305.F1
AUD_NMUTE: R405.1 U202.18 U401.11
AUD_NMUTE_LV: J201.34 TP222.1(PIN1) U202.6
BOOT_MODE0: J201.98 R1104.1 SW1101.1
BOOT_MODE1: J201.100 R1106.1 SW1101.2
BT_DEV_WAKE: J601.20 TP614.1(PIN1)
BYPASS1: C318.2 U303.4
BYPASS2: C332.2 R327.2 U306.4
CLKIN1: J201.94 TP207.1(TP)
CLKIN2: J201.96 TP208.1(TP)
CLKO1: J202.40 J802.B8 R803.2
CLKOUT1: J201.64 TP205.1(TP)
CLKOUT2: J201.66 TP206.1(TP)
CSI_CKN: J201.45 J802.A2
CSI_CKP: J201.47 J802.A3
CSI_DN0: J201.33 J802.B2
CSI_DN1: J201.39 J802.B5
CSI_DN2: J201.51 J802.B13
CSI_DN3: J201.57 J802.B16(TX3_P)
CSI_DP0: J201.35 J802.B3
CSI_DP1: J201.41 J802.B6
CSI_DP2: J201.53 J802.B14
CSI_DP3: J201.59 J802.B17
CSI_I2C_SCL: J802.B11 R809.1
CSI_I2C_SDA: J802.B10 R807.1
CSI_NRST: J202.58 J802.B9 R806.2
CSI_PWDN: J202.56 J802.A11 R802.2
DCDC_5V: C103.1 C116.1 C138.1 C209.1 C210.1 J202.1 J202.2 J202.3 J202.4 J202.5 J202.6 J202.7 J202.8 Q101.1 Q101.2 Q101.3(S3) R103.2 R112.1 R120.1 R125.1 TP101.1(TP) U102.8 U102.11(VIN2)
DEBUG_ACCESS1: TP311.1(PIN1) U303.9
DEBUG_ACCESS2: TP313.1(PIN1) U306.9
DSI_BL_PWM: J202.64 J801.B8 R804.2
DSI_CKN: J201.15 J801.A2
DSI_CKP: J201.17 J801.A3
DSI_DN0: J201.3 J801.B2
DSI_DN1: J201.9 J801.B5
DSI_DN2: J201.21 J801.B13
DSI_DN3: J201.27 J801.B16(TX3_P)
DSI_DP0: J201.5 J801.B3
DSI_DP1: J201.11 J801.B6
DSI_DP2: J201.23 J801.B14
DSI_DP3: J201.29 J801.B17
DSI_EN: J202.54 J801.A11 R805.2
DSI_TS_NINT: J202.52 J801.B9 R801.2
DSI_TS_SCL: J801.B11 R810.1
DSI_TS_SDA: J801.B10 R808.1
ECSPI2_MISO: J201.16 J1003.21
ECSPI2_MOSI: J201.18 J1003.19
ECSPI2_SCLK: J201.14 J1003.23
ECSPI2_SS0: J201.12 J1003.24
EN_SNK1: R342.1 U303.2
EN_SNK2: R335.1 R360.1 U306.2
EN_SRC1: R332.2 U302.G1
EN_SRC2: R334.2 U305.G1
ENET_AVDD33: C501.1 C503.1 L501.2 U501.16
ENET_AVDDL_1V1: C510.1 C511.1 C512.1 C513.1 L503.1 U501.8 U501.13 U501.19 U501.44
ENET_DVDDL_1V1: C508.1 C509.1 L502.2 L503.2 R509.1 TP504.1(TP) U501.47
ENET_LX: L502.1 U501.3
ENET_MDC: J203.18 R511.1 U508.5
ENET_MDIO: J203.20 R508.2 R512.1 U508.4
ENET_NINT: J202.50 U501.5
ENET_NRST: R506.2 U202.19 U501.2
ENET_NRST_LV: J202.79 R212.1
ENET_RD0: J203.8 R531.1 R539.1